# Altium PCB MAGI'sMegaCore.PcbDoc
Units mil, origin at the board's own origin, x right, y up, seen from the top; angles counter-clockwise.
Board outline 6000 x 4000 mil, 2 copper layers (Top Layer, Bottom Layer); 17 components, 31 nets, 161 pads, 39 vias.
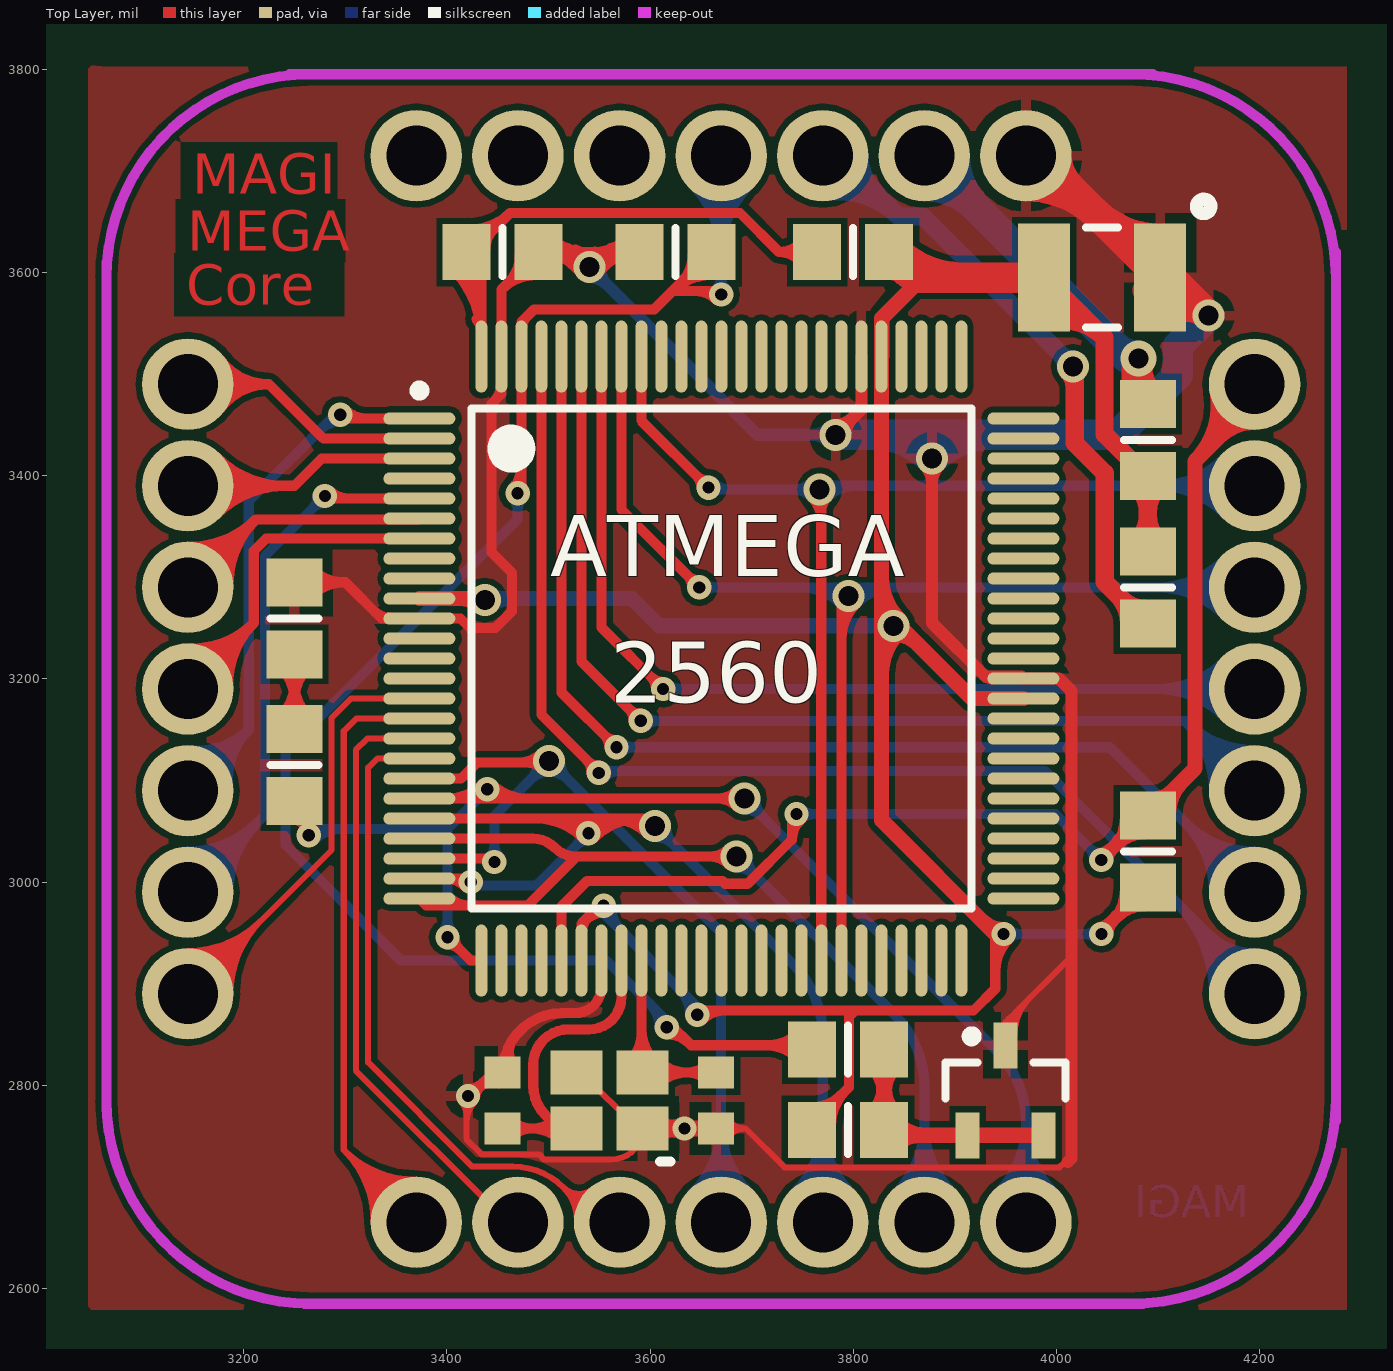
[diagram p0: Top Layer view]
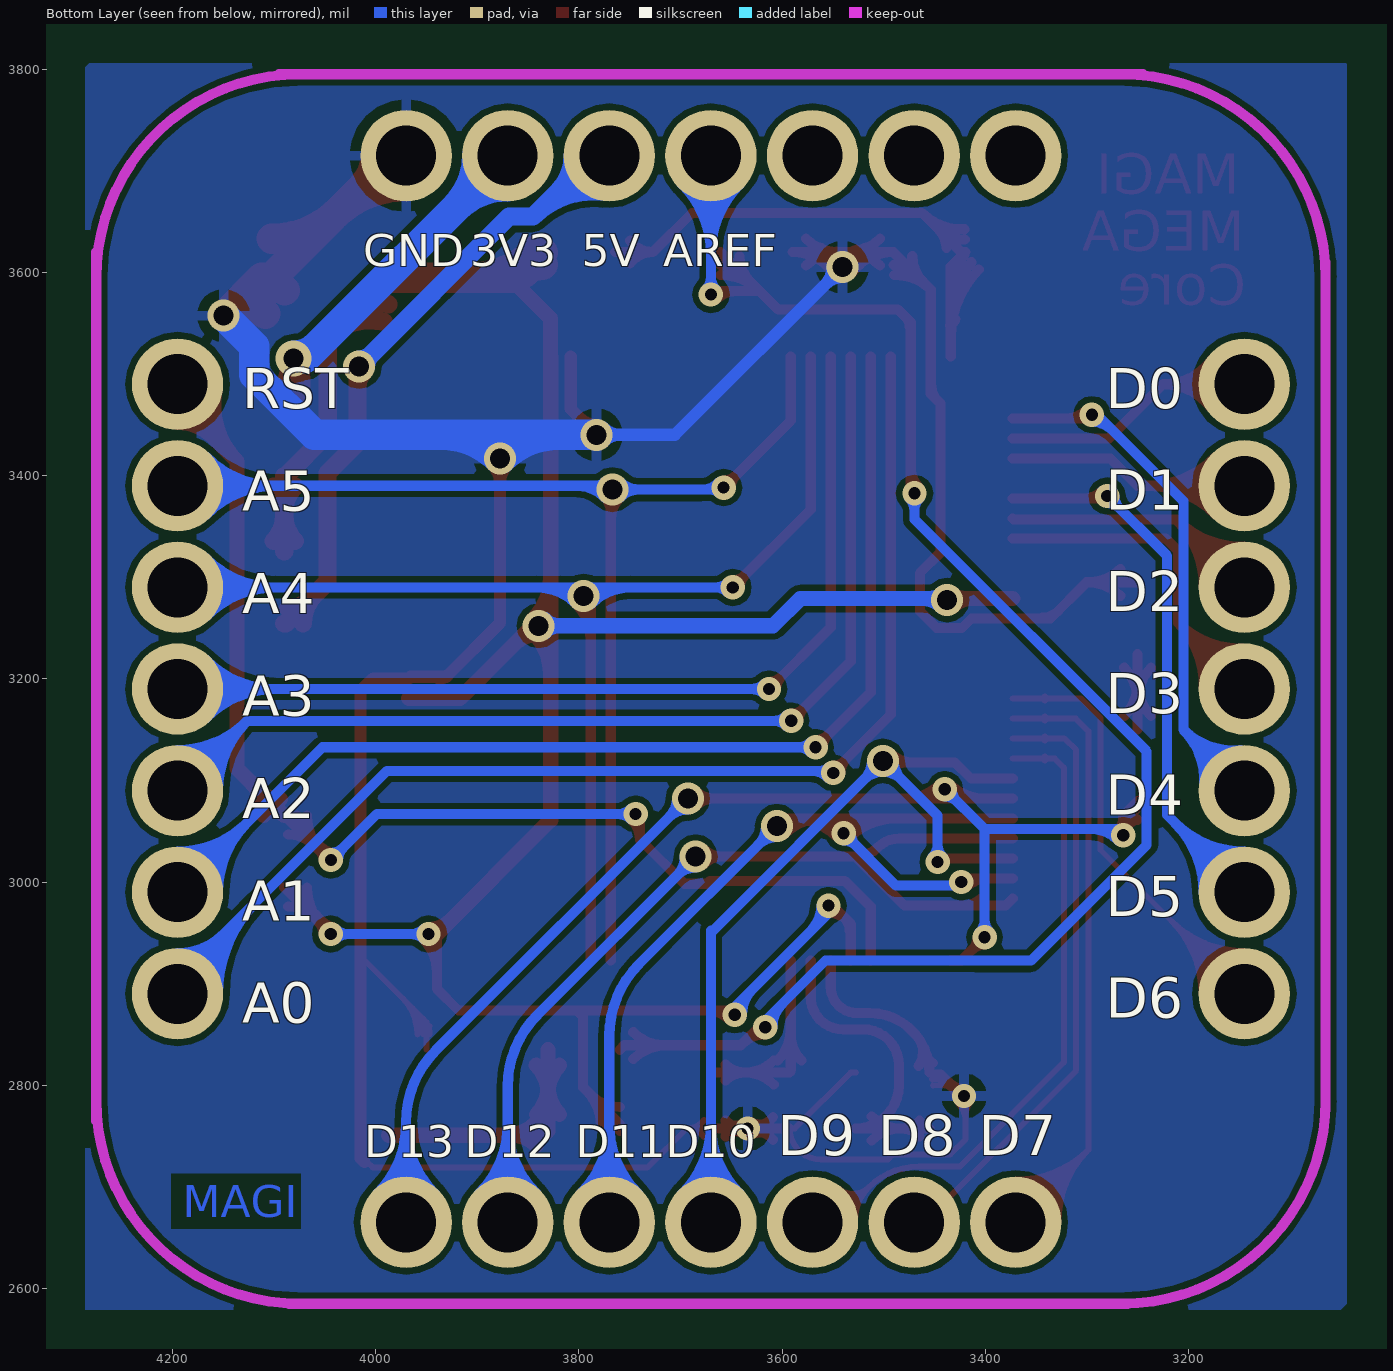
[diagram p1: Bottom Layer view, seen from below]

## Layer stack, top to bottom
Top Solder: solder mask 0.4, Solder Resist, Dk 3.5
Top Layer: signal copper 1.4
Dielectric 1: dielectric 12.6, FR-4, Dk 4.8
Bottom Layer: signal copper 1.4
Bottom Solder: solder mask 0.4, Solder Resist, Dk 3.5

## Board outline
1000,1000 7000,1000 7000,5000 1000,5000

## Design rules (kind name [scope] priority, off if disabled: settings)
Clearance [All] p1: gap=6
PolygonConnect [All] p1: connectstyle=Relief reliefconductorwidth=10 reliefentries=4 polygonreliefangle="90 Angle" airgapwidth=10
RoutingVias [All] p1: holewidth=280 width=500 viastyle="Through Hole" minholewidth=12 minwidth=24 maxholewidth=28 maxwidth=50
SolderMaskExpansion [All] p1: expansion=4
Width [All] p1: maxlimit=100 minlimit=6 preferedwidth=30
29 further rules are at their usual default settings.

## Classes and differential pairs
component class MAGI'sMegaCore: C1 C2 C3 C4 C5 Cry1 J1 L1 LED1 R1 R2 R3 R4 R6 U1 U2

## Components (designator, comment, footprint, x,y, rotation, side; value= is the part's Value field where it differs from the comment)
C1 "CAP_1" 1608[0603] 3665,2785 r270 top
C2 "CAP_1" 1608[0603] 3455,2785 r270 top
C3 "CAP_1" 6-0805_N 3455,3620 r180 top
C4 "CAP_1" 6-0805_N 3625,3620 r0 top
C5 "CAP_1" C1210_N 4045,3595 r180 top
Cry1 "SMD-Crystal" 3225 3560,2785 r180 top
J1 "MAGI-M8" MAGI-M8 3670,3190 r0 top
L1 "INDUCTOR" 6-0805_n 3800,3620 r0 top
LED1 "LED_3" 6-0805_N 3250,3259.57 r90 top
R1 "000" 6-0805_N 4090,3435 r270 top
R2 "000" 6-0805_N 4090,3290 r270 top
R3 "RES1_1" 6-0805_N 3794.88,2755.91 r180 top
R4 "RES1_1" 6-0805_N 3795,2835 r0 top
R5 "RES1_1" 6-0805_N 3250,3115 r270 top
R6 "RES1" 6-0805_N 4090,3030 r270 top
U1 "ATmega2560-16AU" 100A_N 3670.23,3220 r0 top
U2 "TL431" SOT23_N 3950,2795 r90 top

## Footprints (in the part's own frame and the unit in brackets; to place one, negate y for a bottom-side part, rotate by r counter-clockwise, add the part's x,y. Pads: shape width x height; smd on the part's side, far side on the other; paste and mask are expansions set on the pad)
6-0805_N [mm] "Chip Resistor, Body 2.0x1.2mm, IPC Medium Density"
  rect 1.2x1.4 smd: 1(-0.9,0) 2(0.9,0)
  silkscreen extent 0,-0.6 0,0.6, body extent -1.07,-0.7 1.07,0.7, height 0.7
6-0805_n [mm] "Chip Resistor, Body 2.0x1.2mm, IPC Medium Density"
  rect 1.2x1.4 smd: 1(-0.9,0) 2(0.9,0)
  silkscreen extent 0,-0.6 0,0.6, body extent -1.07,-0.7 1.07,0.7, height 0.7
100A_N [mm] "Thin QFP, 100-Leads, Body 14x14mm, Pitch 0.5mm, IPC Medium Density"
  oval 1.8x0.3 smd: 1(-7.55,6) 2(-7.55,5.5) 3(-7.55,5) 4(-7.55,4.5) 5(-7.55,4) 6(-7.55,3.5) 7(-7.55,3) 8(-7.55,2.5) 9(-7.55,2) 10(-7.55,1.5) 11(-7.55,1) 12(-7.55,0.5) 13(-7.55,0) 14(-7.55,-0.5) 15(-7.55,-1) 16(-7.55,-1.5) 17(-7.55,-2) 18(-7.55,-2.5) 19(-7.55,-3) 20(-7.55,-3.5) 21(-7.55,-4) 22(-7.55,-4.5) 23(-7.55,-5) 24(-7.55,-5.5) 25(-7.55,-6) 51(7.55,-6) 52(7.55,-5.5) 53(7.55,-5) 54(7.55,-4.5) 55(7.55,-4) 56(7.55,-3.5) 57(7.55,-3) 58(7.55,-2.5) 59(7.55,-2) 60(7.55,-1.5) 61(7.55,-1) 62(7.55,-0.5) 63(7.55,0) 64(7.55,0.5) 65(7.55,1) 66(7.55,1.5) 67(7.55,2) 68(7.55,2.5) 69(7.55,3) 70(7.55,3.5) 71(7.55,4) 72(7.55,4.5) 73(7.55,5) 74(7.55,5.5) 75(7.55,6)
  oval 0.3x1.8 smd: 26(-6,-7.55) 27(-5.5,-7.55) 28(-5,-7.55) 29(-4.5,-7.55) 30(-4,-7.55) 31(-3.5,-7.55) 32(-3,-7.55) 33(-2.5,-7.55) 34(-2,-7.55) 35(-1.5,-7.55) 36(-1,-7.55) 37(-0.5,-7.55) 38(0,-7.55) 39(0.5,-7.55) 40(1,-7.55) 41(1.5,-7.55) 42(2,-7.55) 43(2.5,-7.55) 44(3,-7.55) 45(3.5,-7.55) 46(4,-7.55) 47(4.5,-7.55) 48(5,-7.55) 49(5.5,-7.55) 50(6,-7.55) 76(6,7.55) 77(5.5,7.55) 78(5,7.55) 79(4.5,7.55) 80(4,7.55) 81(3.5,7.55) 82(3,7.55) 83(2.5,7.55) 84(2,7.55) 85(1.5,7.55) 86(1,7.55) 87(0.5,7.55) 88(0,7.55) 89(-0.5,7.55) 90(-1,7.55) 91(-1.5,7.55) 92(-2,7.55) 93(-2.5,7.55) 94(-3,7.55) 95(-3.5,7.55) 96(-4,7.55) 97(-4.5,7.55) 98(-5,7.55) 99(-5.5,7.55) 100(-6,7.55)
  silkscreen extent -7.67,-6.25 6.25,6.82, body extent -7,-7 7,7, height 1.2
1608[0603] [mm] "Chip Capacitor, Body 1.6x0.8mm, IPC High Density"
  rect 0.8x0.9 smd: 1(-0.7,0) 2(0.7,0)
  body extent -0.87,-0.48 0.87,0.48, height 1.3
3225 [mil] "SMD3225"
  rect 51.18x43.31 smd: 1(-32.5,-27.5) 2(32.5,-27.5) 3(32.5,27.5) 4(-32.5,27.5)
  silkscreen extent -60,60 -50,60
C1210_N [mm] "Chip Capacitor, Body 3.2x2.5mm, IPC Medium Density"
  rect 1.3x2.7 smd: 1(-1.45,0) 2(1.45,0)
  silkscreen extent -0.4,-1.25 0.4,1.25, body extent -1.7,-1.35 1.7,1.35, height 1.5
MAGI-M8 [mil]
  round 90 hole 59.06: 1(300,525) 2(200,525) 3(100,525) 4(0,525) 5(-100,525) 6(-200,525) 7(-300,525) 8(-525,300) 9(-525,200) 10(-525,100) 11(-525,0) 12(-525,-100) 13(-525,-200) 14(-525,-300) 15(-300,-525) 16(-200,-525) 17(-100,-525) 18(0,-525) 19(100,-525) 20(200,-525) 21(300,-525) 22(525,-300) 23(525,-200) 24(525,-100) 25(525,0) 26(525,100) 27(525,200) 28(525,300)
  Keep-Out Layer lines w10: -605,-415 -605,290 -605,420 ; -605,-405 ccw(c-405,-405) -405,-605 ; -605,405 cw(c-405,405) -405,605 ; -425,605 425,605 ; -410,-605 415,-605 ; 405,-605 ccw(c405,-405) 605,-405 ; 405,605 cw(c405,405) 605,405 ; 605,-425 605,430
  silkscreen extent 468,468 482,482
SOT23_N [mm] "SOT23, 3-Leads, Body 2.9x1.3mm, Pitch 0.95mm, Lead Span 2.3mm - Reverse Pinning, IPC Medium Density"
  rect 1.15x0.6 smd: 1(1.125,0) 2(-1.125,-0.95) 3(-1.125,0.95)
  silkscreen extent -0.2,-1.5 1.47,1.5, body extent -0.7,-1.5 0.7,1.5, height 1.1

## Part data
C1 C2 C3 C4 C5: "Capacitor"
Cry1: library part Crystal
R1 R2: library part RES1
U1: "8-bit AVR Microcontroller, 4.5-5.5V, 256KB Flash, 4KB EEPROM, 8KB SRAM, 86 GPIO pins, 100-pin TQFP, Industrial Grade (-40癈 to 85癈), Pb-Free"

## Via types
v1: diameter 24, hole 12, Top Layer to Bottom Layer, 25 vias
v2: diameter 31.5, hole 19.68, Top Layer to Bottom Layer, 13 vias
v3: diameter 35.43, hole 19.68, Top Layer to Bottom Layer, 1 vias

## Nets (pads, with @x,y where several pads share a name; then routed paths per layer and width w, separated by ;. In a path a pad name is that pad's centre, name@x,y a point inside that pad or via, vN(x,y) a via of type N, cw(c..) or ccw(c..) an arc to the next point about the centre after c; other vN are vias at no path point)
3.3V: J1.2 R1.1 | length 511
  Top Layer w30: v3@4079.13,3507.98 ccw(c4123.61,3507.98) R1.1@4092.16,3476.53 ; v3@4079.13,3508.66 4079.13,3481.3 R1.1
  Bottom Layer w30: J1.2@3870,3685 cw(c3870,3612.57) 3921.21,3663.79 cw(c3972.43,3715) J1.2@3900,3715 ; J1.2 4069.65,3515.35 v3(4080.71,3515.35) ; 4057.19,3527.81 ccw(c4080.71,3551.34) v3@4080.71,3518.07
5V: J1.3 R2.2 | length 883.3
  Top Layer w18: v2@4011.37,3502.71 cw(c3995.6,3486.94) 4017.9,3486.94 ; v2(4016.14,3507.48) 4017.9,3505.72 4017.9,3432.1 4047.44,3402.56 4047.44,3295.6 4088.47,3254.57 R2.2 ; 4059.4,3283.64 cw(c4030.32,3254.57) R2.2@4071.44,3254.57 ; R2.2@4065.22,3277.82 ccw(c4086.06,3298.67) R2.2@4086.06,3269.19
  Bottom Layer w18: J1.3 3785.15,3715 3845.15,3655 ; J1.3@3772.22,3697.14 cw(c3779.2,3641.14) 3819.11,3681.04 ; J1.3@3774.45,3679.28 cw(c3784.97,3594.83) 3845.14,3655 ; J1.3@3806,3715 ccw(c3856.34,3715) 3820.75,3679.4 ; v2@4009.39,3507.48 ccw(c3993.1,3507.48) 4004.62,3519 ccw(c4016.14,3530.52) v2@4016.14,3514.23 ; v2(4016.14,3507.48) 3868.62,3655 3845.15,3655
A0: J1.22 U1.97 | length 1603.8
  Top Layer w10: U1.97 3493.06,3164.85 3549.6,3108.31 v1(3549.6,3107.47) ; 3537.06,3120.85 cw(c3523.69,3107.47) v1@3542.6,3107.47 ; 3539.07,3118.83 ccw(c3549.6,3129.36) v1@3549.6,3114.47
  Bottom Layer w10: v1(3549.6,3107.47) 3551.57,3109.45 3988.81,3109.45 4195,2903.26 J1.22 ; v1@3554.55,3102.52 cw(c3571.27,3085.81) 3571.27,3109.45 ; v1@3554.55,3112.42 ccw(c3561.73,3119.61) 3561.73,3109.45 ; 4117.34,2980.92 cw(c4026.42,2890) J1.22@4155,2890 ; 4134.41,2963.85 cw(c4060.56,2890) J1.22@4165,2890 ; 4149.35,2948.91 ccw(c4195,2994.55) J1.22@4195,2930 ; 4151.48,2946.78 cw(c4094.7,2890) J1.22@4175,2890 ; 4166.42,2931.84 ccw(c4195,2960.41) J1.22@4195,2920 ; 4168.55,2929.71 cw(c4128.84,2890) J1.22@4185,2890
A1: J1.23 U1.96 | length 1488.6
  Top Layer w10: U1.96 3512.75,3186.86 v1(3566.93,3132.68) ; v1@3559.93,3132.68 ccw(c3543.03,3132.68) 3554.98,3144.63 ccw(c3566.93,3156.58) v1@3566.93,3139.68
  Bottom Layer w10: v1(3566.93,3132.68) 4052.32,3132.68 J1.23 ; v1@3571.88,3127.73 cw(c3583.83,3115.78) 3583.83,3132.68 cw(c3583.83,3149.58) v1@3571.88,3137.63 ; J1.23@4155,2990 ccw(c4058.43,2990) 4126.72,3058.28 ccw(c4195,3126.57) J1.23@4195,3030 ; J1.23@4165,2990 ccw(c4092.57,2990) 4143.79,3041.21 ccw(c4195,3092.43) J1.23@4195,3020 ; J1.23@4175,2990 ccw(c4126.72,2990) 4160.86,3024.14 ccw(c4195,3058.28) J1.23@4195,3010
A2: J1.24 U1.95 | length 1409.7
  Top Layer w10: U1.95 3532.43,3217.18 v1(3590.94,3158.66) ; v1@3583.94,3158.66 ccw(c3567.05,3158.66) 3579,3170.61 ccw(c3590.94,3182.56) v1@3590.94,3165.66
  Bottom Layer w10: v1(3590.94,3158.66) 4126.34,3158.66 J1.24 ; v1@3595.89,3153.71 cw(c3607.84,3141.76) 3607.84,3158.66 cw(c3607.84,3175.56) v1@3595.89,3163.61 ; J1.24@4155,3090 ccw(c4058.43,3090) 4126.72,3158.28 ccw(c4195,3226.57) J1.24@4195,3130 ; J1.24@4165,3090 ccw(c4092.57,3090) 4143.79,3141.21 ccw(c4195,3192.43) J1.24@4195,3120 ; J1.24@4175,3090 ccw(c4126.72,3090) 4160.86,3124.14 ccw(c4195,3158.28) J1.24@4195,3110
A3: J1.25 U1.94 | length 1329
  Top Layer w10: U1.94 3552.12,3250.72 v1(3612.83,3190) ; v1@3605.83,3190 ccw(c3588.94,3190) 3600.88,3201.95 ccw(c3612.83,3213.9) v1@3612.83,3197
  Bottom Layer w10: v1(3612.83,3190) J1.25 ; v1@3617.78,3185.05 cw(c3629.73,3173.1) 3629.73,3190 cw(c3629.73,3206.9) v1@3617.78,3194.95 ; J1.25@4166.72,3161.72 ccw(c4098.43,3093.43) 4098.43,3190 ccw(c4098.43,3286.57) J1.25@4166.72,3218.28 ; J1.25@4173.79,3168.79 ccw(c4122.57,3117.57) 4122.57,3190 ccw(c4122.57,3262.43) J1.25@4173.79,3211.21 ; J1.25@4180.86,3175.86 ccw(c4146.72,3141.72) 4146.72,3190 ccw(c4146.72,3238.28) J1.25@4180.86,3204.14
A4: J1.26 U1.44 U1.93 | length 1764.4
  Top Layer w10: U1.93 3571.8,3366.62 v1(3648.43,3290) ; v1@3641.43,3290 ccw(c3624.53,3290) 3636.48,3301.95 ccw(c3648.43,3313.9) v1@3648.43,3297 ; U1.44 v2@3788.34,3282.68 ; 3788.34,3238.79 cw(c3837.98,3238.79) v2@3802.88,3273.9 ; 3788.34,3262.94 cw(c3813.84,3262.94) v2@3795.8,3280.97 ; v2(3795.28,3281.5) 3795.28,3278.35 v2@3796.85,3276.77
  Bottom Layer w10: v1(3648.43,3290) J1.26 ; v1@3653.37,3285.05 cw(c3665.32,3273.1) 3665.32,3290 cw(c3665.32,3306.9) v1@3653.37,3294.95 ; 3748.8,3290 cw(c3748.8,3235.02) v2@3787.68,3273.9 ; 3772.94,3290 cw(c3772.94,3259.16) v2@3794.75,3280.97 ; v2(3795.28,3281.5) 3795.28,3278.35 v2@3796.85,3276.77 ; v2@3795.8,3280.97 cw(c3817.61,3259.16) 3817.61,3290 ; v2@3802.88,3273.9 cw(c3841.75,3235.02) 3841.75,3290 ; J1.26@4166.72,3261.72 ccw(c4098.43,3193.43) 4098.43,3290 ccw(c4098.43,3386.57) J1.26@4166.72,3318.28 ; J1.26@4173.79,3268.79 ccw(c4122.57,3217.57) 4122.57,3290 ccw(c4122.57,3362.43) J1.26@4173.79,3311.21 ; J1.26@4180.86,3275.86 ccw(c4146.72,3241.72) 4146.72,3290 ccw(c4146.72,3338.28) J1.26@4180.86,3304.14
A5: J1.27 U1.43 U1.92 | length 1678.6
  Top Layer w10: U1.92 3591.49,3454.18 v1(3657.48,3388.19) ; v1@3650.48,3388.19 ccw(c3633.58,3388.19) 3645.53,3400.14 ccw(c3657.48,3412.09) v1@3657.48,3395.19 ; v2@3759.33,3378.62 cw(c3737.12,3356.41) 3768.53,3356.41 ; v2(3766.93,3386.22) 3768.53,3384.62 3768.53,2922.88 U1.43 ; 3768.53,3364.13 cw(c3789.02,3364.13) v2@3774.53,3378.62
  Bottom Layer w10: v1(3657.48,3388.19) 3659.45,3386.22 v2(3766.93,3386.22) 3768.65,3384.5 3774.15,3390 J1.27 ; v1@3662.43,3383.24 cw(c3669.63,3376.04) 3669.63,3386.22 ; v1@3662.43,3393.14 ccw(c3679.13,3409.84) 3679.13,3386.22 ; v2@3759.33,3378.62 ccw(c3740.98,3360.27) 3740.98,3386.22 ccw(c3740.98,3412.17) v2@3759.33,3393.82 ; v2@3774.53,3378.62 cw(c3802,3351.15) 3802,3390 ; v2@3774.53,3393.82 ccw(c3783.75,3403.04) 3783.75,3390 ; J1.27@4166.72,3361.72 ccw(c4098.43,3293.43) 4098.43,3390 ccw(c4098.43,3486.57) J1.27@4166.72,3418.28 ; J1.27@4173.79,3368.79 ccw(c4122.57,3317.57) 4122.57,3390 ccw(c4122.57,3462.43) J1.27@4173.79,3411.21 ; J1.27@4180.86,3375.86 ccw(c4146.72,3341.72) 4146.72,3390 ccw(c4146.72,3438.28) J1.27@4180.86,3404.14
AREF: C4.2 J1.4 R4.1 U1.98 | length 2290.1
  Top Layer w10: v1@3464.73,3387.63 ccw(c3443.85,3408.51) 3473.38,3408.51 ; v1(3469.68,3382.68) 3466.93,3385.43 3473.38,3391.88 U1.98 3473.38,3551 3486.06,3563.68 3604.11,3563.68 3622.32,3581.89 ; U1.98@3474.28,3546.77 cw(c3486.67,3546.77) 3477.91,3555.53 ; v1@3616.54,2850.09 cw(c3616.54,2817.98) 3639.24,2840.68 ; v1(3616.54,2857.09) 3619.68,2860.24 3640.61,2839.31 3755.26,2839.31 R4.1 ; 3622.33,3581.89 cw(c3659.87,3544.35) C4.2@3660.29,3597.44 ; 3631.43,3590.99 ccw(c3606.36,3616.06) C4.2@3641.81,3616.06 ; C4.2@3639.21,3598.77 cw(c3660.13,3577.85) C4.2@3660.37,3607.44 ; 3644.36,3581.89 cw(c3644.36,3552.62) v1@3665.05,3573.32 ; C4.2 3622.32,3581.89 ; v1(3670,3578.27) 3666.38,3581.89 3622.32,3581.89 ; 3713.71,2839.31 cw(c3713.71,2793.08) R4.1@3746.4,2825.77 ; 3715.51,2839.31 ccw(c3715.51,2883) R4.1@3746.4,2852.1
  Bottom Layer w10: v1@3464.73,3377.73 cw(c3452.78,3365.78) 3469.68,3365.78 cw(c3486.58,3365.78) v1@3474.63,3377.73 ; v1(3469.68,3382.68) 3469.68,3357.08 3241.17,3128.57 3241.17,3036.54 3355.04,2922.67 3410.14,2922.67 3410.23,2922.76 3557.17,2922.76 3619.68,2860.24 v1(3616.54,2857.09) ; 3600.13,2879.79 cw(c3577.43,2857.09) v1@3609.54,2857.09 ; J1.4@3641.72,3686.72 cw(c3573.43,3618.43) 3670,3618.43 cw(c3766.57,3618.43) J1.4@3698.28,3686.72 ; J1.4@3648.79,3693.79 cw(c3597.57,3642.57) 3670,3642.57 cw(c3742.43,3642.57) J1.4@3691.21,3693.79 ; J1.4@3655.86,3700.86 cw(c3621.72,3666.72) 3670,3666.72 cw(c3718.28,3666.72) J1.4@3684.14,3700.86 ; v1@3665.05,3583.22 ccw(c3653.1,3595.17) 3670,3595.17 ccw(c3686.9,3595.17) v1@3674.95,3583.22 ; v1(3670,3578.27) J1.4
AVCC: C3.2 L1.1 U1.100 | length 806.9
  Top Layer w10: C3.2@3406.4,3602.9 cw(c3339.75,3536.24) U1.100@3434.01,3536.24 ; C3.2@3413.47,3609.97 cw(c3363.89,3560.39) 3434.01,3560.39 ; C3.2@3420.01,3632.55 ccw(c3421.82,3667.21) 3446.36,3642.67 ; C3.2@3420.54,3617.04 cw(c3388.03,3584.53) 3434.01,3584.53 ; C3.2@3420.53,3642.53 ccw(c3423.39,3697.42) 3462.25,3658.56 ; 3429.4,3554.32 ccw(c3440.11,3557.05) U1.100@3434.47,3547.55 ; U1.100 3434.01,3605.56 C3.2 3423.7,3620 3462.26,3658.56 ; C3.2@3438.19,3623.94 cw(c3463.67,3623.94) 3445.65,3641.95 ; L1.1@3749.71,3608.78 ccw(c3727.17,3591.76) 3727.17,3620 ; L1.1@3749.71,3631.22 cw(c3727.17,3648.24) 3727.17,3620 ; L1.1 3727.17,3620 ; 3462.26,3658.56 3688.61,3658.56 3727.17,3620
D0: J1.8 U1.2 | length 444.8
  Top Layer w10: J1.8 3225,3490 ; J1.8@3169,3472 cw(c3205,3445.01) 3205,3490 cw(c3205,3534.99) J1.8@3169,3508 ; J1.8@3177,3466 cw(c3225,3430.01) 3225,3490 ; J1.8@3177,3514 ccw(c3225,3549.99) 3225,3490 ; U1.2 3278.46,3436.54 3225,3490
D1: J1.9 U1.3 | length 580.4
  Top Layer w10: J1.9 3250,3390 3276.85,3416.85 U1.3 ; J1.9@3159.14,3375.86 cw(c3193.28,3341.72) 3193.28,3390 cw(c3193.28,3438.28) J1.9@3159.14,3404.14 ; J1.9@3166.21,3368.79 cw(c3217.43,3317.57) 3217.43,3390 cw(c3217.43,3462.43) J1.9@3166.21,3411.21 ; J1.9@3173.28,3361.72 cw(c3241.57,3293.43) 3241.57,3390 cw(c3241.57,3486.57) J1.9@3173.28,3418.28
D2: J1.10 U1.6 | length 587.6
  Top Layer w10: J1.10 3212,3357 ; J1.10@3145.27,3310 ccw(c3145.9,3356.1) 3178.5,3323.5 ccw(c3211.1,3290.9) J1.10@3165,3290.27 ; J1.10@3145.41,3320 ccw(c3146.34,3389.15) 3195.25,3340.25 ccw(c3244.15,3291.34) J1.10@3175,3290.41 ; J1.10@3145.54,3330 ccw(c3146.79,3422.2) 3212,3357 ; J1.10@3185,3290.54 cw(c3277.2,3291.79) 3212,3357 ; U1.6 3372.19,3357 3212,3357
D3: J1.11 U1.7 | length 647.1
  Top Layer w10: J1.11 3210,3255 ; J1.11@3145.71,3209.99 ccw(c3147.23,3252.77) 3177.5,3222.5 ccw(c3207.77,3192.23) J1.11@3164.99,3190.71 ; J1.11@3146.06,3219.98 ccw(c3148.34,3284.15) 3193.75,3238.75 ccw(c3239.15,3193.34) J1.11@3174.98,3191.06 ; J1.11@3146.42,3229.97 ccw(c3149.46,3315.53) 3210,3255 ; J1.11@3184.97,3191.42 cw(c3270.53,3194.46) 3210,3255 ; U1.7 3222.24,3338.11 3210,3325.87 3210,3255
D4: J1.12 U1.1 | length 788.7
  Top Layer w10: v1@3295,3465 v1(3295,3460) 3298.78,3456.22 U1.1 ; v1@3299.95,3464.95 ccw(c3321.03,3486.03) 3321.03,3456.22
  Bottom Layer w10: J1.12 3205,3150 ; J1.12@3147.87,3119.86 ccw(c3152.88,3172.12) 3190,3135 ccw(c3227.12,3097.88) J1.12@3174.86,3092.87 ; J1.12@3148.82,3129.82 ccw(c3155.51,3199.49) 3205,3150 ; J1.12@3184.82,3093.82 cw(c3254.49,3100.51) 3205,3150 ; 3274.51,3444.51 cw(c3295,3424.03) v1@3295,3453 ; v1(3295,3460) 3295,3465 3205,3375 3205,3150
D5: J1.13 U1.5 | length 933.8
  Top Layer w10: v1@3280,3377.48 U1.5 ; v1@3284.95,3384.95 ccw(c3302.98,3402.98) 3302.98,3377.48
  Bottom Layer w10: J1.13 3221,3066 3221,3321 v1(3280,3380) v1@3285,3385 ; J1.13@3145,3010 ccw(c3145,3058.28) 3179.14,3024.14 ccw(c3213.28,2990) J1.13@3165,2990 ; J1.13@3145,3020 ccw(c3145,3092.43) 3196.21,3041.21 ccw(c3247.43,2990) J1.13@3175,2990 ; J1.13@3145,3030 ccw(c3145,3126.57) 3213.28,3058.28 ccw(c3281.57,2990) J1.13@3185,2990 ; v1@3273,3380 cw(c3256.1,3380) 3268.05,3368.05 cw(c3280,3356.1) v1@3280,3373
D6: J1.14 U1.15 | length 936.1
  Top Layer w6: J1.14 3286.56,3031.56 3286.56,3161.56 3305.63,3180.63 U1.15 ; J1.14@3145,2914 ccw(c3145,2971.94) 3185.97,2930.97 ccw(c3226.94,2890) J1.14@3169,2890 ; J1.14@3145,2920 ccw(c3145,2992.43) 3196.21,2941.21 ccw(c3247.43,2890) J1.14@3175,2890 ; J1.14@3145,2926 ccw(c3145,3012.91) 3206.46,2951.46 ccw(c3267.91,2890) J1.14@3181,2890 ; J1.14@3145,2932 ccw(c3145,3033.4) 3216.7,2961.7 ccw(c3288.4,2890) J1.14@3187,2890 ; U1.15@3341.4,3178.58 ccw(c3336.44,3173.62) 3336.44,3180.63 ccw(c3336.44,3187.64) U1.15@3341.4,3182.68
D7: J1.15 U1.16 | length 1101.5
  Top Layer w6: J1.15@3328,2665.11 ccw(c3227.49,2665.37) 3298.56,2736.44 ; J1.15@3334,2665.09 ccw(c3247.85,2665.32) 3308.77,2726.23 ccw(c3369.68,2787.15) J1.15@3369.91,2701 ; J1.15@3340,2665.08 ccw(c3268.21,2665.26) 3318.97,2716.03 ccw(c3369.74,2766.79) J1.15@3369.92,2695 ; U1.16@3341.4,3158.89 ccw(c3336.44,3153.93) 3336.44,3160.94 ccw(c3336.44,3167.96) U1.16@3341.4,3163 ; J1.15@3346,2665.06 ccw(c3288.57,2665.21) 3329.18,2705.82 ccw(c3369.79,2746.43) J1.15@3369.94,2689 ; J1.15@3369.89,2707 cw(c3369.63,2807.51) 3298.56,2736.44 ; J1.15 3298.56,2736.44 ; U1.16 3310.94,3160.94 3298.56,3148.56 3298.56,2736.44
D8: J1.16 U1.17 | length 615
  Top Layer w6: U1.17@3341.4,3139.21 ccw(c3336.44,3134.25) 3336.44,3141.26 ccw(c3336.44,3148.27) U1.17@3341.4,3143.31 ; U1.17 3321.82,3141.26 3310.56,3130 3310.56,2814.44 3460,2665 J1.16
D9: J1.17 U1.18 | length 847.2
  Top Layer w6: U1.18@3341.4,3119.52 ccw(c3336.44,3114.56) 3336.44,3121.57 ccw(c3336.44,3128.59) U1.18@3341.4,3123.63 ; U1.18 3331.57,3121.57 3322.56,3112.56 3322.56,2822.44 3425,2720 3465,2720 cw(c3465,2649.4) 3514.92,2699.32 ; 3519.66,2694.59 ccw(c3534.4,2709.34) J1.17@3547.46,2693.07 ; 3524.39,2689.86 ccw(c3538.62,2704.09) J1.17@3551.22,2688.39 ; 3524.74,2689.5 cw(c3502.31,2667.07) J1.17@3534.02,2666.1 ; J1.17@3528.02,2666.28 ccw(c3483.26,2667.65) 3514.92,2699.32 ; 3529.12,2685.12 ccw(c3542.83,2698.84) J1.17@3554.97,2683.71 ; J1.17@3543.71,2697.75 cw(c3530.19,2714.59) 3514.92,2699.32 ; J1.17 3549.24,2665 3514.92,2699.32
D10: J1.18 U1.19 U1.23 | length 1360.5
  Top Layer w10: U1.23 3443.37,3023.15 v1(3446.84,3019.68) ; U1.19 3414.09,3101.89 3429.92,3117.72 3507.09,3117.72 3505.51,3119.29 v2(3500.79,3119.29) ; 3471.04,3117.72 ccw(c3471.04,3149.04) v2@3493.19,3126.89 ; 3478.64,3117.72 cw(c3478.64,3097.15) v2@3493.19,3111.69
  Bottom Layer w10: v1@3441.89,3024.63 ccw(c3429.94,3036.58) 3446.84,3036.58 ccw(c3463.74,3036.58) v1@3451.79,3024.63 ; v1(3446.84,3019.68) 3446.84,3065.35 v2(3500.79,3119.29) 3668.03,2952.05 3670,2952.05 J1.18 ; v2@3490.04,3119.29 cw(c3464.09,3119.29) 3482.44,3100.94 cw(c3500.79,3082.6) 3500.79,3108.54 cw(c3500.79,3082.6) 3519.14,3100.94 cw(c3537.48,3119.29) v2@3511.54,3119.29 ; J1.18@3641.72,2693.28 ccw(c3573.43,2761.57) 3670,2761.57 ccw(c3766.57,2761.57) J1.18@3698.28,2693.28 ; J1.18@3648.79,2686.21 ccw(c3597.57,2737.43) 3670,2737.43 ccw(c3742.43,2737.43) J1.18@3691.21,2686.21 ; J1.18@3655.86,2679.14 ccw(c3621.72,2713.28) 3670,2713.28 ccw(c3718.28,2713.28) J1.18@3684.14,2679.14
D11: J1.19 U1.21 U1.24 | length 1783
  Top Layer w10: U1.24 3420.15,3003.46 v1(3423.62,2999.99) ; U1.21 3588.58,3062.52 ccw(c3588.58,3002.43) v1@3544.5,3043.27 ; U1.24@3398.34,3003.46 cw(c3398.34,2974.72) v1@3418.67,2995.04 ; 3487.47,3062.52 cw(c3487.47,2996.13) v1@3534.41,3043.08 ; 3511.61,3062.52 cw(c3511.61,3020.28) v1@3541.48,3050.15 ; v1@3537.16,3050.06 cw(c3565.68,3023.64) 3565.68,3062.52 ; v1@3537.24,3050.15 cw(c3567.11,3020.28) 3567.11,3062.52 ; v1(3539.36,3048.03) 3543.7,3052.36 v1@3543.7,3056.62 ; 3543.7,3062.52 3602.52,3062.52 3605,3060.04 v2(3605,3055) ; v1@3544.31,3043.08 cw(c3591.26,2996.13) v2@3591.26,3062.52 ; 3579.65,3059.64 cw(c3582.75,3047.17) v2@3594.86,3051.43 ; 3590.32,3062.29 cw(c3593.16,3050.84) v2@3604.29,3054.75 ; 3560.9,3062.52 cw(c3560.9,3010.9) 3597.4,3047.4 ccw(c3560.9,3010.9) 3560.9,3062.52 ; 3585.04,3062.52 cw(c3585.04,3035.04) 3604.47,3054.47 ccw(c3585.04,3035.04) 3585.04,3062.52
  Bottom Layer w10: v1(3423.62,2999.99) 3424.8,3001.18 3429.53,2996.46 3487.8,2996.46 v1(3539.36,3048.03) ; 3527.41,3036.07 ccw(c3515.46,3048.03) v1@3532.36,3048.03 ; 3527.41,3036.08 cw(c3539.36,3024.13) v1@3539.36,3041.03 ; v2@3605,3044.25 cw(c3605,3018.3) 3623.35,3036.65 cw(c3641.7,3055) v2@3615.75,3055 ; v2(3605,3055) 3740.71,2919.29 cw(c3670,2848.58) 3770,2848.58 J1.19 ; J1.19@3741.72,2693.28 ccw(c3673.43,2761.57) 3770,2761.57 ccw(c3866.57,2761.57) J1.19@3798.28,2693.28 ; J1.19@3748.79,2686.21 ccw(c3697.57,2737.43) 3770,2737.43 ccw(c3842.43,2737.43) J1.19@3791.21,2686.21 ; J1.19@3755.86,2679.14 ccw(c3721.72,2713.28) 3770,2713.28 ccw(c3818.28,2713.28) J1.19@3784.14,2679.14
D12: J1.20 U1.22 U1.25 | length 1389.1
  Top Layer w10: U1.25 3379.77,2976.99 3479.6,2976.99 3527.61,3025 ; U1.22 3484.56,3042.83 cw(c3484.56,3012.39) 3506.06,3033.94 ; 3506.11,3033.89 ccw(c3527.61,3055.44) 3527.61,3025 ; v2@3677.4,3017.4 ccw(c3659.05,2999.05) 3659.05,3025 ccw(c3659.05,3050.95) v2@3677.4,3032.6 ; v2(3685,3025) 3527.61,3025 ; U1.25@3403.15,2984.42 ccw(c3421.08,3002.35) 3421.08,2976.99 cw(c3421.08,3002.35) U1.25@3403.15,2984.42
  Bottom Layer w10: v2@3685,3014.25 cw(c3685,2988.3) 3703.35,3006.65 cw(c3721.7,3025) v2@3695.75,3025 ; v2(3685,3025) 3840.71,2869.29 cw(c3770,2798.58) 3870,2798.58 J1.20 ; J1.20@3841.72,2693.28 ccw(c3773.43,2761.57) 3870,2761.57 ccw(c3966.57,2761.57) J1.20@3898.28,2693.28 ; J1.20@3848.79,2686.21 ccw(c3797.57,2737.43) 3870,2737.43 ccw(c3942.43,2737.43) J1.20@3891.21,2686.21 ; J1.20@3855.86,2679.14 ccw(c3821.72,2713.28) 3870,2713.28 ccw(c3918.28,2713.28) J1.20@3884.14,2679.14
D13: J1.21 R5.2 U1.20 U1.26 | length 1952.9
  Top Layer w10: R5.2@3249.61,3079.17 R5.2 3264.17,3065.39 v1(3264.17,3046.06) ; R5.2@3250.37,3061.29 cw(c3247.1,3044.54) v1@3264.17,3044.54 ; R5.2@3252.29,3071.1 cw(c3249.47,3056.67) R5.2@3264.17,3056.67 ; v1@3259.22,3051.01 ccw(c3247.27,3062.96) 3264.17,3062.96 ccw(c3281.07,3062.96) v1@3269.12,3051.01 ; v1@3260.49,3052.02 ccw(c3256.98,3057.7) R5.2@3263.43,3059.43 ; U1.20 v2(3692.8,3082.2) ; v1@3400.62,2938.67 cw(c3400.62,2921.77) 3412.56,2933.72 cw(c3424.51,2945.67) v1@3407.62,2945.67 ; v1(3400.62,2945.67) 3423.53,2922.76 U1.26 ; U1.20@3400.81,3082.2 ccw(c3400.81,3130.29) v1@3434.81,3096.29 ; 3424.95,3082.2 ccw(c3424.95,3106.15) v1@3441.89,3089.22 ; v1@3437.64,3089.22 ccw(c3454.57,3106.15) 3454.57,3082.2 ; v1@3444.71,3096.29 ccw(c3478.72,3130.29) 3478.72,3082.2 ; v2@3685.2,3074.6 ccw(c3666.85,3056.26) 3666.85,3082.2 ccw(c3666.85,3108.15) v2@3685.2,3089.8
  Bottom Layer w10: v1@3264.17,3052.19 3400.62,3052.19 ; v1@3269.12,3041.11 cw(c3295.86,3014.37) 3295.86,3052.19 ; v1@3395.67,2950.62 ccw(c3383.72,2962.57) 3400.62,2962.57 ccw(c3417.51,2962.57) v1@3405.56,2950.62 ; v1(3400.62,2945.67) 3400.62,3052.19 ; v1@3432.76,3091.34 cw(c3415.86,3091.34) 3427.81,3079.39 cw(c3439.76,3067.44) v1@3439.76,3084.34 ; v1(3439.76,3091.34) 3400.62,3052.19 ; v2@3692.8,3071.46 cw(c3692.8,3045.51) 3711.14,3063.86 cw(c3729.49,3082.2) v2@3703.54,3082.2 ; v2(3692.8,3082.2) 3940.71,2834.29 cw(c3870,2763.58) 3970,2763.58 J1.21 ; J1.21@3941.72,2693.28 ccw(c3873.43,2761.57) 3970,2761.57 ccw(c4066.57,2761.57) J1.21@3998.28,2693.28 ; J1.21@3948.79,2686.21 ccw(c3897.57,2737.43) 3970,2737.43 ccw(c4042.43,2737.43) J1.21@3991.21,2686.21 ; J1.21@3955.86,2679.14 ccw(c3921.72,2713.28) 3970,2713.28 ccw(c4018.28,2713.28) J1.21@3984.14,2679.14
GND: C1.2 C2.1 C3.1 C4.1 C5.1 Cry1.2 Cry1.4 J1.1 LED1.2 U1.11 U1.32 U1.62 U1.81 U1.99 U2.1 | length 5573.4
  Top Layer w6: v1@3414.5,2783.01 cw(c3402.94,2771.44) 3419.29,2771.44 ; 3419.29,2763.84 cw(c3446.4,2763.84) v1@3427.23,2783.01 ; v1@3420.87,2798.37 ccw(c3420.87,2817.25) 3434.21,2803.9 ; v1@3423.2,2798.06 ccw(c3425.63,2807.16) 3430.34,2799 ; v1@3423.82,2788.82 cw(c3439.38,2785.94) 3431.47,2799.65 ; v1@3423.86,2797.86 ccw(c3429,2812.46) 3436.74,2799.05 ccw(c3443.75,2786.91) v1@3429.81,2788.41 ; v1@3427.92,2797.61 cw(c3448.44,2777.08) C2.1@3452.17,2805.87 ; v1@3429.72,2787.73 cw(c3456.2,2782.83) C2.1@3442.73,2806.16 ; v1@3429.87,2789.37 cw(c3454.45,2789.37) 3437.07,2806.75 ; 3436.55,2806.23 cw(c3450.42,2792.36) C2.1@3452.94,2811.82 ; C2.1@3451.4,2799.92 ccw(c3446.47,2761.8) v1@3419.29,2788.98 ; C2.1 3442.88,2812.56 v1@3419.29,2788.98 ; 3490.55,2731.89 3491.34,2731.1 ; Cry1.2 3532.47,2812.5 3587.47,2757.5 Cry1.4 cw(c3561.85,2757.5) 3592.5,2757.44 cw(c3561.85,2757.5) 3561.85,2726.85 3495.99,2726.85 3490.83,2732 3434.25,2732 3419.29,2746.96 v1@3419.29,2788.98 ; C1.2 3694,2757.44 ; C1.2@3676.8,2749.33 cw(c3694,2735.15) 3694,2757.44 ; C1.2@3676.8,2765.55 ccw(c3694,2779.73) 3694,2757.44 ; U2.1@3946.81,2850.12 cw(c3968.43,2850.12) 3953.14,2865.41 ; U2.1@3947.27,2858.5 ccw(c3946.04,2862.26) 3950,2862.26 ; U2.1@3950,2835.29 U2.1 3950,2862.26 ; U2.1@3952.73,2858.5 cw(c3953.96,2862.26) 3950,2862.26 ; U2.1@3952.81,2850.12 cw(c3988.91,2850.12) 3963.39,2875.65 ; U2.1@3958.81,2850.12 cw(c4009.4,2850.12) 3973.63,2885.89 ; 4008.21,2724.34 4002.94,2719.07 3732.37,2719.07 3694,2757.44 ; 4014.9,2927.17 3950,2862.26
  Top Layer w10: LED1.2 3300.07,3295 3335.7,3259.37 U1.11 3413.46,3259.37 3422.83,3250 3447.67,3250 3464.15,3266.48 3464.15,3304.31 3443.93,3324.53 3443.93,3470.7 3453.69,3480.46 U1.99 3453.69,3583.26 ; LED1.2@3267.1,3281.83 cw(c3298.89,3250.04) 3298.89,3295 cw(c3298.89,3339.96) LED1.2@3267.1,3308.17 ; 3328.67,3266.4 ccw(c3343.45,3281.19) U1.11@3343.45,3260.28 ; 3447.01,3473.79 ccw(c3433.08,3487.72) U1.99@3452.78,3487.72 ; C2.1@3451.59,2821.87 ccw(c3441.87,2838.72) 3460.66,2833.68 ; C2.1 cw(c3513.44,2812.56) 3513.44,2871 3526.24,2871 ccw(c3526.24,2896.87) 3552.12,2896.87 U1.32 ; 3461.43,3590.99 ccw(c3436.36,3616.06) C3.1@3471.81,3616.06 ; 3461.98,2838.6 ccw(c3484.41,2832.59) C2.1@3465.65,2818.9 ; C3.1@3469.94,3599.5 cw(c3489.16,3580.28) C3.1@3490.13,3607.45 ; C3.1@3489.77,3597.45 ccw(c3488.04,3548.91) 3453.69,3583.26 ; C3.1@3503.6,3606.83 cw(c3535.39,3575.04) 3535.39,3620 cw(c3535.39,3664.96) C3.1@3503.6,3633.17 ; C3.1@3509.99,3620 cw(c3509.99,3583.05) v2@3539.94,3604.68 ; C3.1@3513.31,3625.92 cw(c3502.29,3584.78) v2@3539.89,3604.77 ; C3.1@3513.58,3625.85 cw(c3507.91,3604.7) v2@3529.8,3604.98 ; 3526.34,3622.43 cw(c3521.63,3604.87) v2@3539.8,3605.11 ; 3529.54,3620 cw(c3529.54,3597.17) v2@3548.05,3610.53 ; v2@3531.84,3598.83 ccw(c3490.44,3568.94) C3.1 ; v2@3532.31,3609.32 cw(c3551.53,3599.51) 3545.95,3620.36 ; v2@3532.95,3610.4 cw(c3551.32,3597.64) 3551.32,3620 ; v2@3541.17,3604.69 cw(c3570.44,3584.35) C4.1@3570.44,3620 ; v2@3541.22,3604.78 cw(c3578.49,3585.75) C4.1@3567.66,3626.18 ; v2@3549.38,3598.99 cw(c3589.57,3571.06) C4.1 C3.1 ; C4.1@3576.4,3606.83 ccw(c3544.61,3575.04) 3544.61,3620 ccw(c3544.61,3664.96) C4.1@3576.4,3633.17 ; Cry1.4@3592.5,2757.44 v1(3633.86,2757.44) ; Cry1.4@3608.78,2746.32 cw(c3633.86,2723.6) v1(3633.86,2757.44) ; Cry1.4@3608.84,2768.61 ccw(c3633.86,2791.03) v1(3633.86,2757.44) ; v1@3627.8,2753.94 ccw(c3613.16,2745.49) 3617.54,2761.81 ccw(c3621.91,2778.14) v1@3630.36,2763.5 ; v1@3627.8,2760.94 cw(c3613.16,2769.39) 3617.54,2753.07 cw(c3621.91,2736.74) v1@3630.36,2751.38 ; v1@3628.91,2752.49 ccw(c3616.96,2740.54) 3616.96,2757.44 ccw(c3616.96,2774.34) v1@3628.91,2762.39 ; v1@3638.34,2752.07 cw(c3645.69,2743.26) C1.2@3648.66,2754.34 ; v1@3638.34,2762.81 ccw(c3645.69,2771.62) C1.2@3648.66,2760.54 ; v1@3638.81,2752.49 cw(c3650.76,2740.54) 3650.76,2757.44 cw(c3650.76,2774.34) v1@3638.81,2762.39 ; v1@3639.92,2753.94 cw(c3652.09,2746.92) C1.2@3648.45,2760.49 ; v1@3639.92,2760.94 ccw(c3652.09,2767.96) C1.2@3648.45,2754.39 ; C1.2@3655.43,2749.84 ccw(c3637.08,2731.49) 3637.08,2757.44 ccw(c3637.08,2783.39) C1.2@3655.43,2765.04 ; C1.2 v1(3633.86,2757.44) ; 3453.69,3583.26 C3.1
  Top Layer w12: v2(3782.68,3440.16) 3808.02,3465.5 U1.81 ; v2@3782.68,3449.91 ccw(c3782.68,3473.44) 3799.32,3456.8 ccw(c3815.96,3440.16) v2@3792.43,3440.16 ; v2@3870.66,3410.03 cw(c3854,3393.37) 3877.56,3393.37 ; 3877.56,3393.41 cw(c3901.07,3393.41) v2@3884.44,3410.03 ; v2(3877.55,3416.92) 3877.56,3255.06 3930.53,3202.09 3965.69,3202.09 U1.62 4002.63,3200.32 4014.9,3188.05 4014.9,2927.17 4014.9,2728.03 4011.21,2724.34 ; 3928.48,3204.14 ccw(c3937.94,3213.61) U1.62@3937.94,3200.22 ; U1.62@3997,3200.41 cw(c3997,3187.03) 4006.46,3196.49
  Top Layer w30: J1.1@3970,3685 cw(c3970,3583.4) 4041.85,3655.24 ; J1.1 3982.09,3715 C5.1 4112.09,3595 v2(4149.61,3557.48) ccw(c4128.24,3536.11) C5.1@4108.87,3559.31 ; J1.1@4000,3715 ccw(c4043.25,3715) 4012.67,3684.42 ; 4036.96,3660.13 ccw(c4102.09,3725.25) C5.1@4102.09,3633.15 ; C5.1@4089.65,3582.34 cw(c4107.12,3561.41) C5.1@4126.4,3580.69
  Bottom Layer w12: v2@3540.55,3595.37 cw(c3540.55,3571.84) 3557.19,3588.48 cw(c3573.83,3605.12) v2@3550.3,3605.12 ; v2(3540.55,3605.12) 3705.51,3440.16 v2(3782.68,3440.16) ; v2@3775.78,3433.26 ccw(c3759.14,3416.62) 3759.14,3440.16 ccw(c3759.14,3463.69) v2@3775.78,3447.05 ; v2@3877.17,3415.35 3877.55,3415.74 v2(3877.55,3416.92)
  Bottom Layer w30: v2(3782.68,3440.16) 4060.27,3440.16 4119.43,3499.32 4119.43,3527.3 v2(4149.61,3557.48) ; 3819.65,3440.16 cw(c3819.65,3359.02) v2@3877.02,3416.39 ; v2@3878.08,3416.39 cw(c3935.45,3359.02) 3935.45,3440.16
  other v1: 3420.87,2789.37
NetLED1_1: LED1.1 R5.1 | length 214.9
  Top Layer w10: R5.1@3236.83,3163.6 ccw(c3205.04,3195.39) 3250,3195.39 ccw(c3294.96,3195.39) R5.1@3263.17,3163.6 ; LED1.1@3236.83,3210.97 cw(c3205.04,3179.18) 3250,3179.18 cw(c3294.96,3179.18) LED1.1@3263.17,3210.97 ; R5.1 LED1.1
RST: J1.28 R6.1 U1.30 | length 1640.1
  Top Layer w10: U1.30 3512.75,2975.74 3538.19,3001.18 3670.99,3001.18 3673.92,2998.25 3696.08,2998.25 3739.76,3041.94 v1@3739.76,3069.68 ; 3739.76,3041.57 cw(c3766.82,3041.57) v1@3748.77,3061.72 ; v1(3744.09,3066.93) v1@3744.09,3069.68 ; v1@4042.27,3028.41 ccw(c4034.57,3057.18) 4060.36,3042.29 ; v1@4044.09,3028.65 ccw(c4044.09,3050.68) 4059.67,3035.1 ; v1@4046.22,3021.65 R6.1 ; v1@4051.09,3021.65 cw(c4062.85,3021.65) 4054.53,3029.97 ; v1@4051.49,3026.92 ccw(c4012.98,3065.43) R6.1@4067.44,3065.43 ; 4060.99,3036.43 cw(c4086.06,3011.36) R6.1@4086.06,3046.81 ; R6.1@4068.56,3043.99 ccw(c4047.12,3065.43) R6.1@4077.44,3065.43
  Top Layer w15: R6.1 4136.5,3111.93 4136.5,3414.23 ; R6.1@4093.94,3081.56 ccw(c4093.94,3110.97) 4114.74,3090.17 ; R6.1@4110.06,3065.43 cw(c4158.49,3065.43) 4124.24,3099.68 ; 4156.76,3434.49 ccw(c4115.64,3475.61) J1.28@4172.86,3485.99 ; J1.28@4158.1,3483.31 cw(c4081.34,3469.4) 4136.5,3414.23 ; 4160.46,3438.19 cw(c4195,3403.66) J1.28@4195,3452.5 ; J1.28 4195,3472.73 4136.5,3414.23
  Bottom Layer w10: v1(3744.09,3066.93) 3998.8,3066.93 v1(4044.09,3021.65) ; v1@3749.04,3061.98 cw(c3760.99,3050.03) 3760.99,3066.93 cw(c3760.99,3083.83) v1@3749.04,3071.88 ; v1@4037.09,3021.65 ccw(c4020.19,3021.65) 4032.14,3033.6 ccw(c4044.09,3045.55) v1@4044.09,3028.65
VCC: C5.2 L1.2 R1.2 R2.1 R3.2 R6.2 U1.10 U1.31 U1.61 U1.80 | length 3832
  Top Layer w10: U1.31 3532.43,2958.81 3550.39,2976.77 v1(3554.33,2976.77) ; U1.31@3533.34,2952.28 cw(c3551.27,2952.28) 3538.59,2964.97 ; 3535.66,2962.04 cw(c3554.33,2943.37) v1@3554.33,2969.77 ; v1(3646.54,2869.32) 3650.77,2873.56 3802.26,2873.56 ; v1@3651.49,2864.37 cw(c3673.66,2842.2) 3673.66,2873.56 ; R3.2@3759.45,2778.46 ccw(c3759.45,2818.94) 3788.07,2790.32 ; R3.2@3759.57,2755 3759.57,2761.82 3795.81,2798.06 3795.81,2867.12 3802.26,2873.56 ; R3.2@3768.07,2759.84 cw(c3793.37,2759.84) R3.2@3775.48,2777.73 ; R3.2@3778.07,2759.84 cw(c3827.51,2759.84) 3792.55,2794.8 ; 3939.76,2911.96 cw(c3984.89,2911.96) v1@3952.98,2943.87 ; 3939.76,2936.1 cw(c3960.75,2936.1) v1@3945.91,2950.94 ; v1@3939.76,2948.82 3939.76,2894.88 3918.44,2873.56 3802.26,2873.56 ; v1@4042.44,2955.58 ccw(c4035.73,2980.64) 4058.19,2967.67 ; v1(4044.25,2948.82) R6.2 ; v1@4044.25,2955.82 ccw(c4044.25,2972.72) 4056.2,2960.77 ccw(c4068.15,2948.82) v1@4051.25,2948.82 ; v1@4051.49,2956.06 ccw(c4012.98,2994.57) R6.2@4067.44,2994.57 ; 4060.99,2965.56 cw(c4086.06,2940.49) R6.2@4086.06,2975.94 ; R6.2@4068.56,2973.13 ccw(c4047.12,2994.57) R6.2@4077.44,2994.57
  Top Layer w15: U1.10 v2@3438.9,3279.06 ; 3413.88,3279.06 cw(c3413.88,3254.03) v2@3431.57,3271.73 ; 3421.1,3279.06 ccw(c3421.1,3293.86) v2@3431.57,3283.39 ; 3827.71,3203.9 cw(c3887.83,3203.9) v2@3845.32,3246.42 ; 3827.71,3240.11 cw(c3851.62,3240.11) v2@3834.71,3257.02 ; 3827.71,3264.38 ccw(c3851.62,3264.38) v2@3834.71,3247.47 ; 3827.71,3300.6 ccw(c3887.83,3300.6) v2@3845.32,3258.08 ; v2@3831.58,3254.61 ccw(c3816.8,3259.02) 3827.71,3269.93 ; v2@3839.48,3244 cw(c3839.48,3209.83) 3863.65,3233.99 ; 3868.18,3595 3827.99,3554.81 3827.99,3517.52 U1.80 3827.71,3269.93 ; 3926.24,2962.35 ccw(c3948.03,2984.14) v1@3948.03,2953.32 ; v1@3939.76,2948.82 3827.71,3060.88 3827.71,3269.93 ; U1.61 3917.01,3180.63 3827.71,3269.93
  Top Layer w18: C5.2@3987.58,3568.81 cw(c3996.75,3530.63) 4024.52,3558.4 ; C5.2 4047.24,3535.67 ; C5.2@3991.79,3551.31 cw(c4005.55,3493.98) 4047.24,3535.67 ; R2.1@4079.66,3335.77 ccw(c4054.7,3360.73) 4090,3360.73 ccw(c4125.3,3360.73) R2.1@4100.34,3335.77 ; R1.2@4079.66,3389.23 cw(c4054.7,3364.27) 4090,3364.27 cw(c4125.3,3364.27) R1.2@4100.34,3389.23 ; R2.1 R1.2 4088.47,3399.57 4047.24,3440.8 4047.24,3535.67
  Top Layer w30: L1.2@3835.43,3607.44 cw(c3835.43,3577.12) L1.2@3856.87,3598.56 ; L1.2 3860.43,3595 3868.18,3595 ; L1.2@3841.53,3622.16 ccw(c3907.1,3687.73) 3907.1,3595 ; C5.2 3868.18,3595 ; 3868.18,3595 cw(c3868.18,3619.28) 3844.01,3616.91 ccw(c3868.18,3619.28) 3868.18,3595
  Bottom Layer w10: v1(3554.33,2976.77) 3554.33,2969.29 3646.54,2877.09 v1(3646.54,2869.32) ; v1@3561.33,2976.77 ccw(c3596.29,2976.77) 3571.57,2952.05 ; 3629.1,2894.53 cw(c3603.89,2869.32) v1@3639.54,2869.32 ; v1(3948.03,2948.82) v1(4044.25,2948.82) ; v1@3952.98,2943.87 cw(c3964.93,2931.92) 3964.93,2948.82 cw(c3964.93,2965.72) v1@3952.98,2953.77 ; v1@4039.3,2943.87 ccw(c4027.35,2931.92) 4027.35,2948.82 ccw(c4027.35,2965.72) v1@4039.3,2953.77
  Bottom Layer w15: v2(3437.4,3277.56) 3438.9,3279.06 3581.97,3279.06 3608.78,3252.25 v2(3839.48,3252.25) ; v2@3443.23,3271.73 cw(c3460.93,3254.03) 3460.93,3279.06 ; v2@3443.23,3283.39 ccw(c3453.7,3293.86) 3453.7,3279.06 ; v2@3833.65,3246.42 ccw(c3819.57,3232.34) 3819.57,3252.25 ccw(c3819.57,3272.16) v2@3833.65,3258.08
VREF2.5: R3.1 R4.2 U2.2 U2.3 | length 422.2
  Top Layer w15: R3.1@3818.92,2771.24 ccw(c3791.11,2799.05) 3830.43,2799.05 ; R4.2@3819.03,2819.66 cw(c3791.51,2792.14) 3830.43,2792.14 cw(c3869.36,2792.14) R4.2@3841.83,2819.66 ; 3830.43,2798.48 ccw(c3868.95,2798.48) R3.1@3841.72,2771.24 ; R4.2 3830.43,2755 3834.73,2750.71 U2.3 U2.2 ; R3.1@3841.72,2740.57 cw(c3866.19,2716.09) 3866.19,2750.71 ; R3.1@3841.72,2763.37 ccw(c3872.28,2793.93) 3872.28,2750.71
XTAL1: C1.1 Cry1.1 U1.34 | length 350.2
  Top Layer w10: Cry1.1@3580.72,2824.28 ccw(c3554.74,2850.26) 3591.49,2850.26 ; 3591.49,2855.15 ccw(c3635.15,2855.15) Cry1.1@3604.28,2824.28 ; U1.34 3591.49,2814.95 ccw(c3594.95,2814.95) Cry1.1 3592.5,2812.56 C1.1 ; Cry1.1@3608.21,2800.72 cw(c3636.79,2772.15) 3636.79,2812.56 ; Cry1.1@3608.21,2824.28 ccw(c3636.5,2852.56) 3636.5,2812.56 ; C1.1@3655.43,2804.96 ccw(c3637.08,2786.61) 3637.08,2812.56 ccw(c3637.08,2838.51) C1.1@3655.43,2820.16
XTAL2: C2.2 Cry1.3 U1.33 | length 424.1
  Top Layer w10: C2.2 3455,2757.5 Cry1.3 cw(c3527.5,2800) 3485,2800 3485,2820 cw(c3520,2820) 3520,2855 3540,2855 ccw(c3540,2886.8) 3571.8,2886.8 U1.33 ; C2.2@3464.57,2749.84 cw(c3483.06,2731.35) 3483.06,2757.5 ; C2.2@3464.57,2765.04 ccw(c3482.77,2783.24) 3482.77,2757.5 ; Cry1.3@3511.79,2745.72 ccw(c3483.36,2717.29) 3483.36,2757.5 ccw(c3483.36,2797.71) Cry1.3@3511.79,2769.28
pads on no net: J1.5 J1.6 J1.7 U1.4 U1.8 U1.9 U1.12 U1.13 U1.14 U1.27 U1.28 U1.29 U1.35 U1.36 U1.37 U1.38 U1.39 U1.40 U1.41 U1.42 U1.45 U1.46 U1.47 U1.48 U1.49 U1.50 U1.51 U1.52 U1.53 U1.54 U1.55 U1.56 U1.57 U1.58 U1.59 U1.60 U1.63 U1.64 U1.65 U1.66 U1.67 U1.68 U1.69 U1.70 U1.71 U1.72 U1.73 U1.74 U1.75 U1.76 U1.77 U1.78 U1.79 U1.82 U1.83 U1.84 U1.85 U1.86 U1.87 U1.88 U1.89 U1.90 U1.91

## Polygon pours and split planes (outlines as drawn)
GND on Top Layer "Bottom Layer-No Net" (solid, pour order 2): 3064.17,3802.36 4285.83,3802.36 4285.83,2579.13 3062.6,2579.13 3050,2579.13 3048.43,2580.71 3046.85,2582.28 3046.85,3804.33
GND on Bottom Layer "Bottom Layer-No Net" (solid, pour order 4): 3044.88,3805.91 4288.19,3805.91 4288.98,3805.12 4285.83,3801.97 4285.83,2579.13 3050,2579.13 3046.85,2582.28 3044.09,2585.04 3044.09,3805.12

## Other copper
Top Layer:
  text "MAGI" at 3149.53,3677.4 h39.37
  text "MEGA" at 3144.49,3621.26 h39.37
  text "Core" at 3143.31,3568.11 h39.37

## Silkscreen, mask and mechanical layers (free items; w line width, h text height)
Top Overlay:
  text "ATMEGA" at 3501.97,3301.18 h60
  text "2560" at 3560.63,3176.38 h60
Bottom Overlay:
  text "AREF" at 3716.97,3606.06 h31.5
  text "5V" at 3796.97,3606.06 h31.5
  text "3V3" at 3906.97,3606.06 h31.5
  text "GND" at 4011.97,3606.06 h31.5
  text "D0" at 3281.38,3466.3 h39.37
  text "RST" at 4131.38,3466.3 h39.37
  text "D1" at 3281.38,3366.3 h39.37
  text "A5" at 4131.38,3365.47 h39.37
  text "D2" at 3281.38,3266.3 h39.37
  text "A4" at 4131.38,3264.63 h39.37
  text "D3" at 3281.38,3166.3 h39.37
  text "A3" at 4131.38,3163.8 h39.37
  text "D4" at 3281.38,3066.3 h39.37
  text "A2" at 4131.38,3062.97 h39.37
  text "D5" at 3281.38,2966.3 h39.37
  text "A1" at 4131.38,2962.13 h39.37
  text "D6" at 3281.38,2866.3 h39.37
  text "A0" at 4131.38,2861.3 h39.37
  text "D7" at 3406.38,2731.3 h39.37
  text "D8" at 3505.38,2731.3 h39.37
  text "D9" at 3604.38,2731.3 h39.37
  text "D10" at 3714.37,2729.17 h31.5
  text "D11" at 3802.88,2729.17 h31.5
  text "D12" at 3912.38,2729.17 h31.5
  text "D13" at 4011.38,2729.17 h31.5

## Text inside footprints (layer, text, board x,y; h text height)
J1: Bottom Layer "MAGI" at 4190,2670 h31.5